# Altium PCB FlexiCan.PcbDoc (part 1 of 2)
Units mil, origin at the board's own origin, x right, y up, seen from the top; angles counter-clockwise.
Board outline 2800 x 1440 mil, 4 copper layers (Top Layer, Layer 1, Layer 2, Bottom Layer), stack 30.406 mil thick; 104 components, 92 nets, 498 pads, 201 vias.
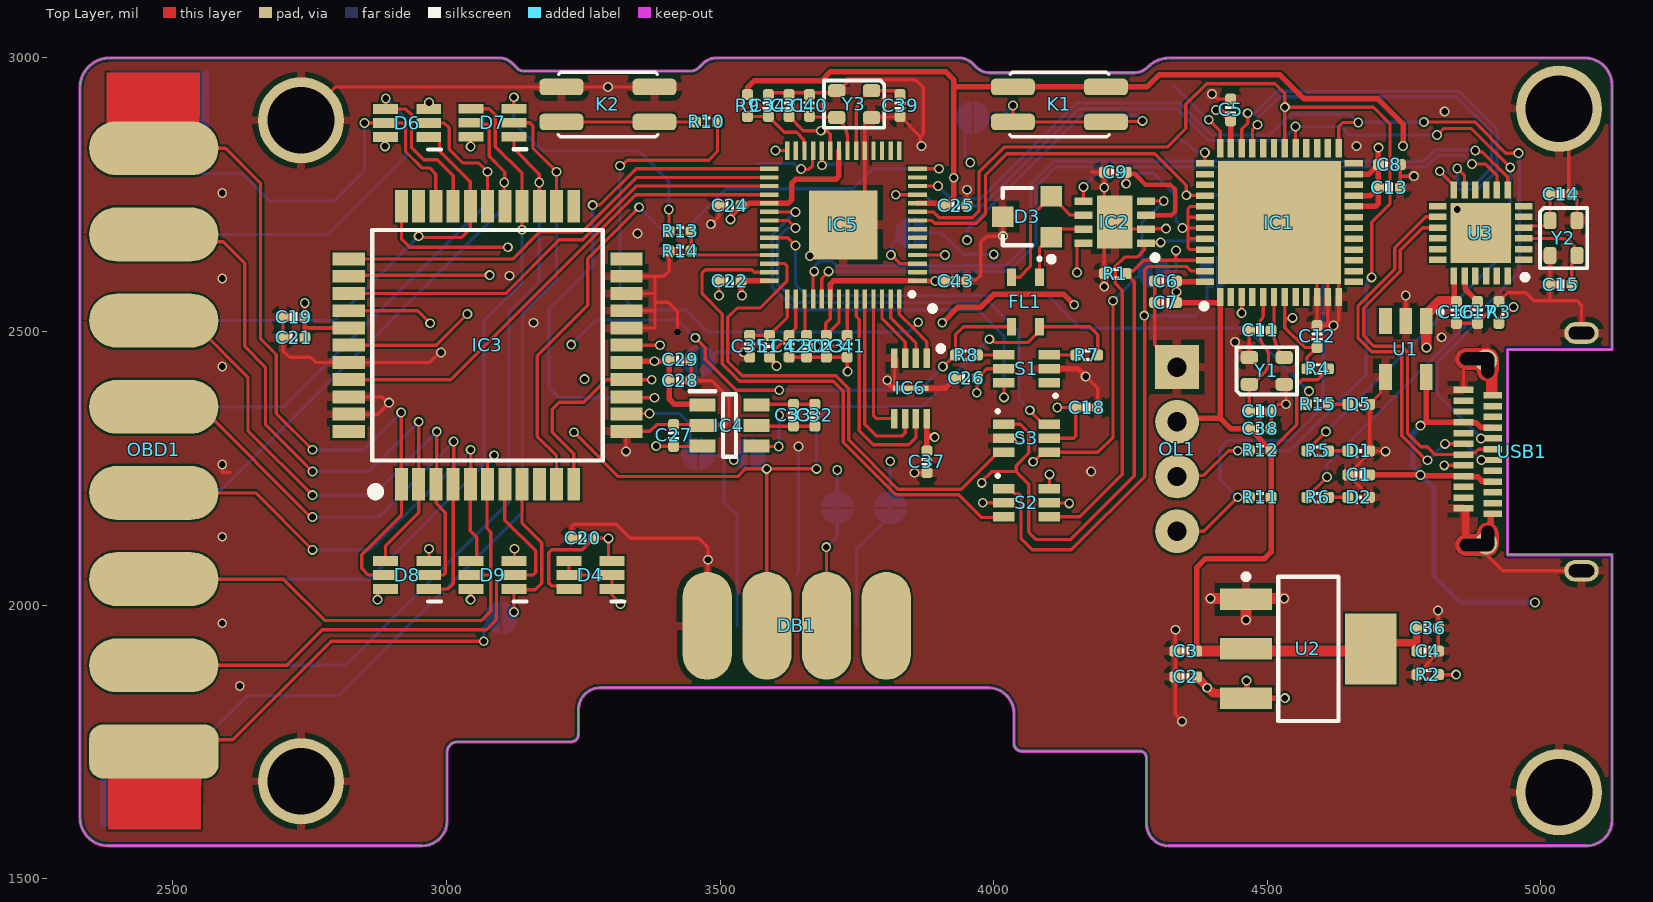
[diagram p0: Top Layer view]
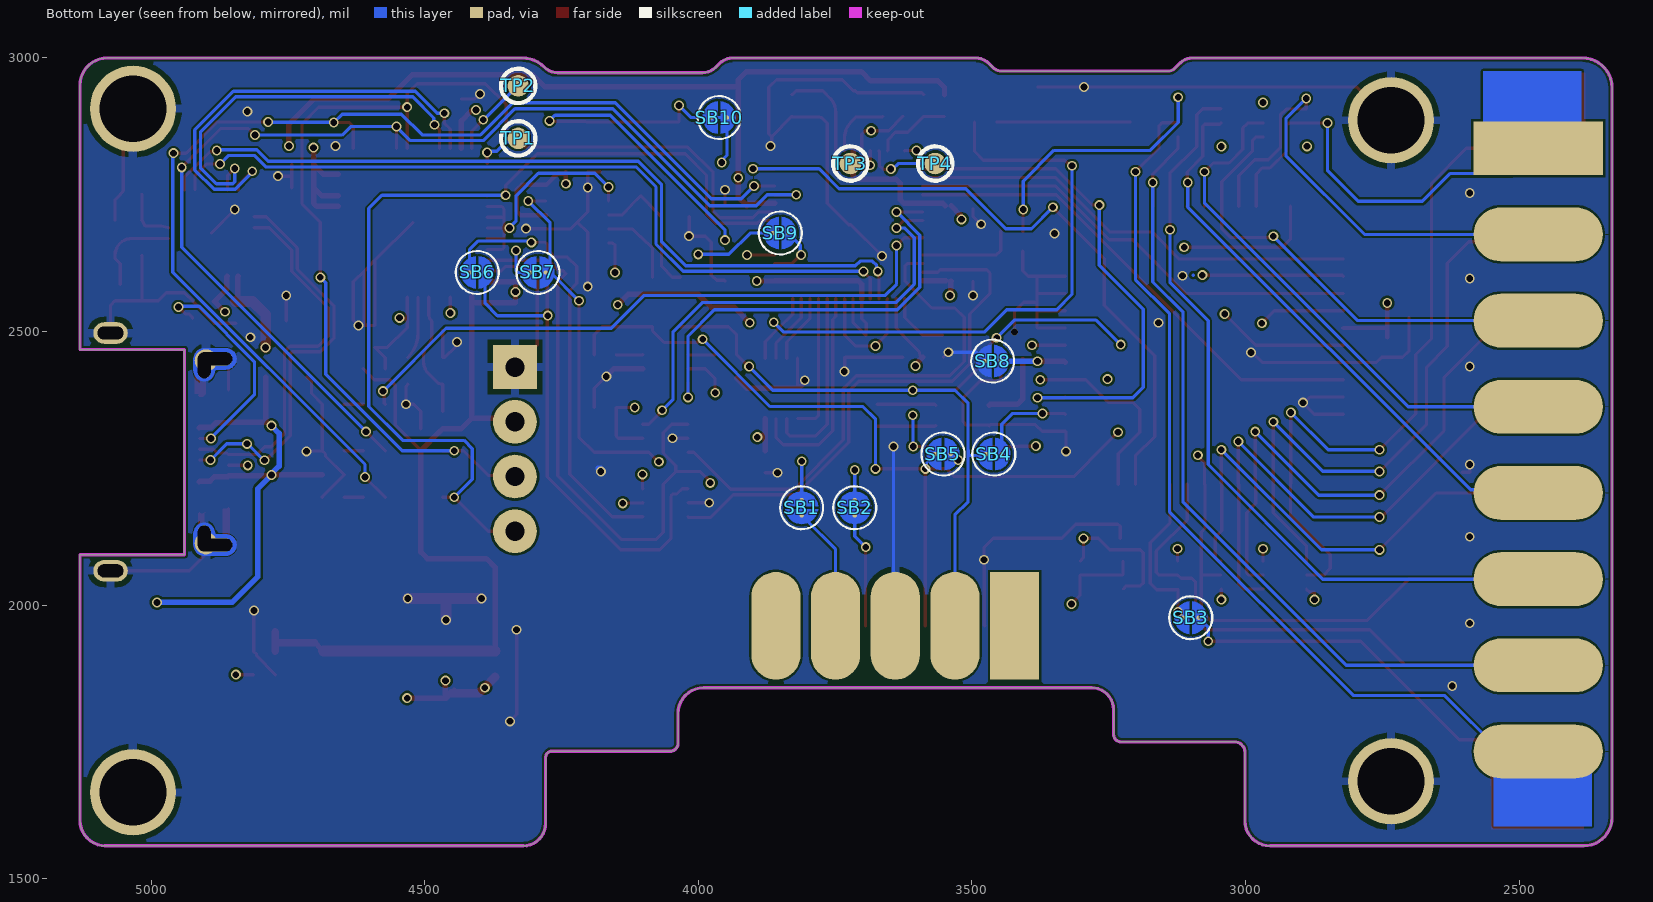
[diagram p1: Bottom Layer view, seen from below]
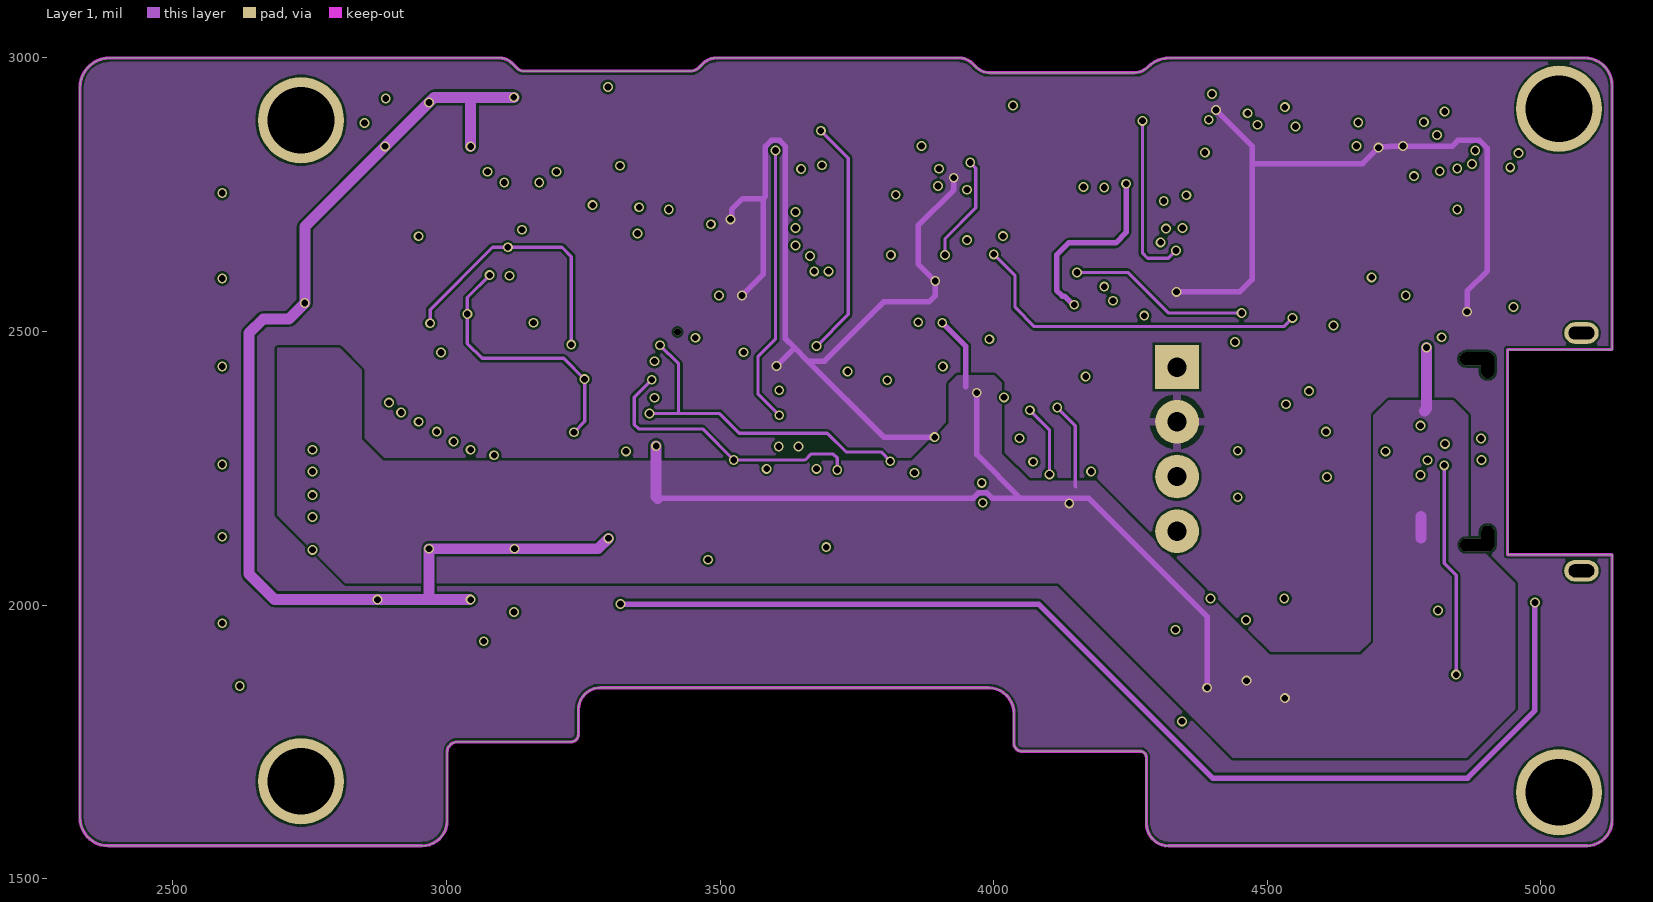
[diagram p2: Layer 1]
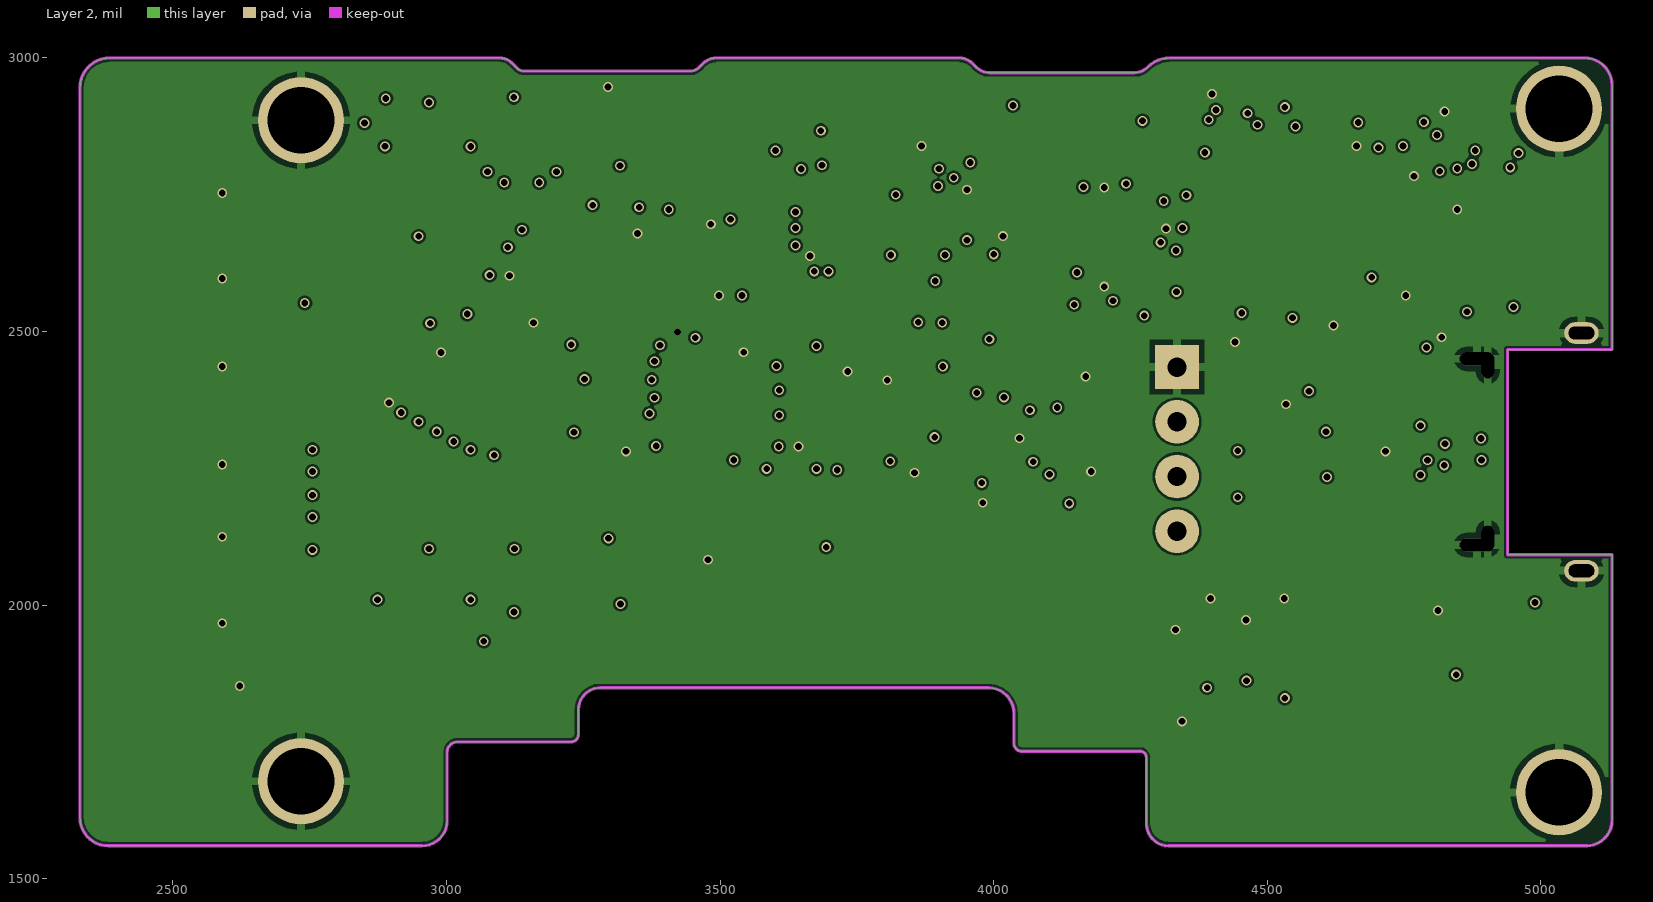
[diagram p3: Layer 2]
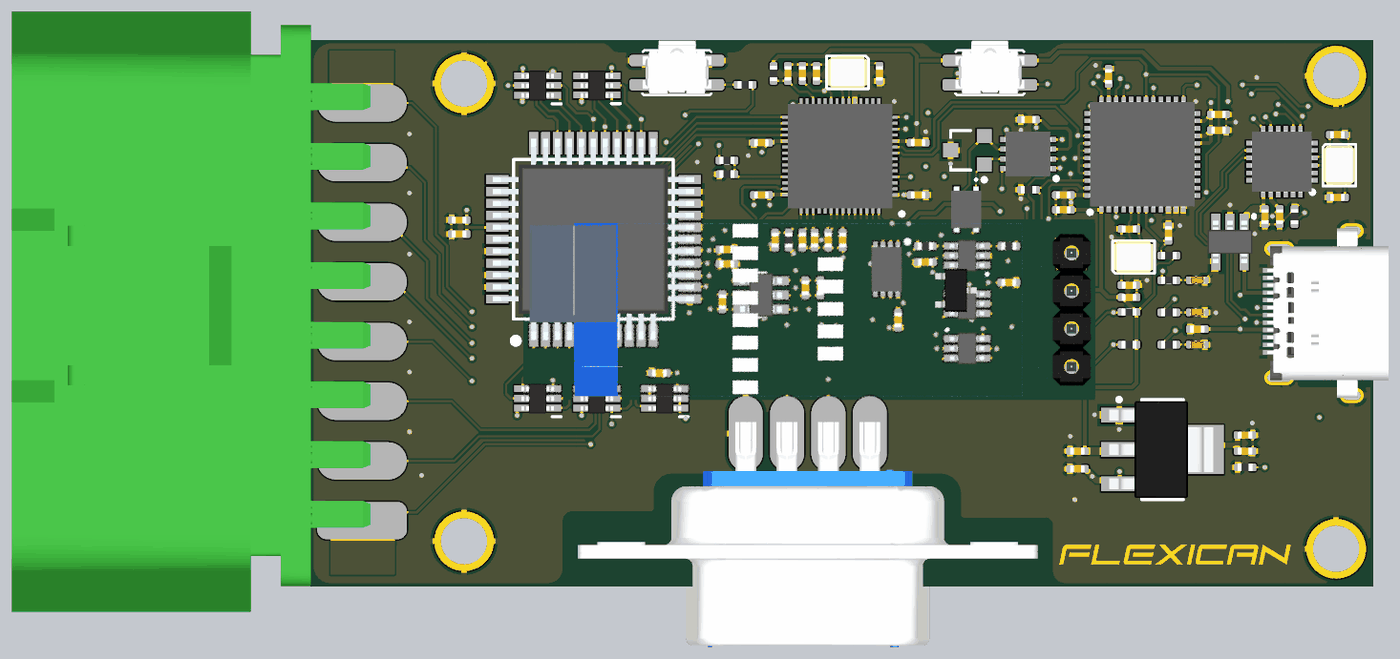
[diagram p5: 3D render of the assembled board from above, using the file's embedded part models]

## Layer stack, top to bottom
Top Solder: solder mask 0.4, Solder Resist, Dk 3.5
Top Layer: signal copper 1.4
Dielectric 2: prepreg 8.2835, PP-006, Dk 4.1
Layer 1: signal copper 0.5984
Dielectric 1: dielectric 9.8425, FR-4, Dk 4.8
Layer 2: signal copper 0.5984
Dielectric 3: prepreg 8.2835, PP-006, Dk 4.1
Bottom Layer: signal copper 1.4
Bottom Solder: solder mask 0.4, Solder Resist, Dk 3.5

## Board outline
2381.98,1560 2955.03,1560 ccw(c2955.03,1605.97) 3001,1605.97 3001,1731.25 cw(c3019.75,1731.25) 3019.75,1750 3227.34,1750 ccw(c3227.34,1763.66) 3241,1763.66 3241,1808.9 cw(c3281.1,1808.9) 3281.1,1849 3990.03,1849 cw(c3990.03,1802.03) 4037,1802.03 4037,1747.11 ccw(c4051.11,1747.11) 4051.11,1733 4267.53,1733 cw(c4267.53,1721.53) 4279,1721.53 4279,1600.91 ccw(c4319.91,1600.91) 4319.91,1560 5085,1560 5083,1560 ccw(c5083,1607) 5130,1607 5130,2092 4939,2092 4939,2467 5130,2467 5130,2950 ccw(c5080,2950) 5080,3000 4321.94,3000 ccw(c4321.94,2942.2) 4281.07,2983.07 cw(c4256.76,3007.38) 4256.76,2973 3992.11,2973 cw(c3992.11,3007.07) 3968.02,2982.98 3961,2990 ccw(c3936.86,2965.86) 3936.86,3000 3493.21,3000 ccw(c3493.21,2965.69) 3468.95,2989.95 3462,2983 cw(c3445.1,2999.9) 3445.1,2976 3141.05,2976 cw(c3141.05,2993.04) 3129.01,2980.99 3119.18,2990.82 ccw(c3097.02,2968.65) 3097.02,3000 2384.58,3000 ccw(c2384.58,2945.42) 2330,2945.42 2330,1611.98 ccw(c2381.98,1611.98)

## Design rules (kind name [scope] priority, off if disabled: settings)
Clearance [All] p1: gap=4.2 ignorepadtopadclearanceinfootprint=FALSE
PlaneConnect [All] p1: pad.planeconnectstyle=Relief pad.reliefexpansion=20 pad.reliefentries=4 pad.reliefconductorwidth=10 pad.reliefairgap=10 via.planeconnectstyle=Direct via.reliefexpansion=20 via.reliefentries=4 via.reliefconductorwidth=10 via.reliefairgap=10
PolygonConnect [All] p1: thpad.connectstyle=Relief thpad.reliefconductorwidth=15 thpad.reliefentries=4 thpad.polygonreliefangle="90 Angle" thpad.airgapwidth=10 smdpad.connectstyle=Relief smdpad.reliefconductorwidth=15 smdpad.reliefentries=4 smdpad.polygonreliefangle="90 Angle" smdpad.airgapwidth=10 via.connectstyle=Direct via.reliefconductorwidth=10 via.reliefentries=4 via.polygonreliefangle="90 Angle" via.airgapwidth=10
RoutingVias [All] p1: holewidth=12.3 width=18 viastyle="Through Hole" minholewidth=12.3 minwidth=18 maxholewidth=12.3 maxwidth=18
SolderMaskExpansion [All] p1: expansion=4 istentingtop=FALSE
Width [All] p1: maxlimit=20 minlimit=6 preferedwidth=10
29 further rules are at their usual default settings.

## Components (designator, comment, footprint, x,y, rotation, side; value= is the part's Value field where it differs from the comment)
C1 "10uF" CAP_0402 4667,2238 r0 top value=0.1u
C2 "10uF" CAP_0402 4351,1869 r0 top value=0.1u
C3 "10uF" CAP_0402 4351,1916 r0 top value=0.1u
C4 "10uF" CAP_0402 4793,1916 r180 top value=0.1u
C5 "10uF" CAP_0402 4433,2905 r270 top value=0.1u
C6 "10uF" CAP_0402 4314,2592 r0 top value=0.1u
C7 "10uF" CAP_0402 4314,2553 r0 top value=0.1u
C8 "104" CAP_0402 4723,2805 r0 top value=103
C9 "104" CAP_0402 4222,2791 r180 top value=103
C10 "18pF" CAP_0402 4487,2354 r180 top value=0.1u
C11 "18pF" CAP_0402 4487,2502 r0 top value=0.1u
C12 "NC" CAP_0402 4591,2491 r270 top value=0.1u
C13 "10uF" CAP_0402 4723,2763 r180 top value=0.1u
C14 "18pF" CAP_0402 5036.39,2750.89 r180 top value=0.1u
C15 "18pF" CAP_0402 5036.39,2585.89 r0 top value=0.1u
C16 "10uF" CAP_0402 4845.39,2534.89 r90 top value=0.1u
C17 "10uF" CAP_0402 4884.39,2534.89 r90 top value=0.1u
C18 "10uF" CAP_0402 4170,2361 r180 top value=0.1u
C19 "1uF/25V" CAP_0402 2721,2526 r0 top value=0.1u
C20 "1uF/25V" CAP_0402 3249,2122 r0 top value=0.1u
C21 "1uF/25V" CAP_0402 2721,2489 r0 top value=0.1u
C22 "10uF" CAP_0402 3518,2592 r0 top value=0.1u
C23 "10uF" CAP_0402 3694,2473 r90 top value=0.1u
C24 "10uF" CAP_0402 3518,2730 r0 top value=0.1u
C25 "10uF" CAP_0402 3931,2730 r180 top value=0.1u
C26 "10uF" CAP_0402 3950,2415 r0 top value=0.1u
C27 "10uF" CAP_0402 3415,2310 r270 top value=0.1u
C28 "10uF" CAP_0402 3427,2410 r180 top value=0.1u
C29 "10uF" CAP_0402 3427,2448 r180 top value=0.1u
C30 "10uF" CAP_0402 3658,2473 r90 top value=0.1u
C31 "10uF" CAP_0402 3626,2913 r270 top value=0.1u
C32 "10uF" CAP_0402 3673,2347 r270 top value=0.1u
C33 "10uF" CAP_0402 3634,2347 r270 top value=0.1u
C34 "10uF" CAP_0402 3588,2913 r270 top value=0.1u
C35 "10uF" CAP_0402 3554,2473 r90 top value=0.1u
C36 "10uF" CAP_0402 4793,1958 r0 top value=0.1u
C37 "10uF" CAP_0402 3878,2262 r90 top value=0.1u
C38 "10uF" CAP_0402 4487,2322 r180 top value=0.1u
C39 "18pF" CAP_0402 3829,2913 r90 top value=0.1u
C40 "18pF" CAP_0402 3663,2913 r270 top value=0.1u
C41 "10uF" CAP_0402 3732,2473 r90 top value=0.1u
C42 "10uF" CAP_0402 3626,2473 r90 top value=0.1u
C43 "10uF" CAP_0402 3931,2592 r180 top value=0.1u
D1 "red" LED_0402_RED 4667,2282 r0 top
D2 "blue" LED_0402_BLUE 4667,2197 r0 top
D3 "PESD1CAN,215" SOT23-3 4061,2710 r90 top
D4 "BAT54CDW-TP_1" SOT65P222X120-6N 3263,2055 r180 top
D5 "green" LED_0402_GREEN 4667,2367 r0 top
D6 "BAT54CDW-TP_1" SOT65P222X120-6N 2928,2881 r180 top
D7 "BAT54CDW-TP_1" SOT65P222X120-6N 3084,2881.32 r180 top
D8 "BAT54CDW-TP_1" SOT65P222X120-6N 2928,2055 r180 top
D9 "BAT54CDW-TP_1" SOT65P222X120-6N 3084,2055 r180 top
DB1 "DS1033-9F (DB-9F)" "DB-9 DS1033-9F" 3640,1850.39 r0 top locked
FL1 "ACM2520-301" ACM25203012P 4058,2554 r270 top
IC1 "STM32G431CBU6" QFN50P700X700X65-49N-D 4522,2699 r90 top
IC2 "TJA1042TK/3" SON65P300X300X100-9N 4221,2700 r180 top
IC3 "CH446Q" QFP80P1350X1350X150-44N 3075,2475 r90 top
IC4 "LM2776DBVR" SOT95P280X145-6N 3517,2328 r0 top
IC5 "RP2040TR13" RP2040TR13 3725,2695 r180 top
IC6 "W25Q16JVUXIQ" SON50P300X200X60-9N 3848,2396 r270 top
K1 "TACT 4P" ButtonTACT_3.5*3.55_90 4120,2915 r0 top locked value=3.4x3.5
K2 "TACT 4P" ButtonTACT_3.5*3.55_90 3295,2915 r0 top locked value=3.4x3.5
L1 "H0402" IND_0402Q 3590,2473 r270 top value=220R
OBD1 "ST-SOM-012A" ST-SOM-012A 2279.33,2724.25 r270 top
OL1 "OLED 0.91" "OLED 0.91 I2C" 4335,2435.04 r180 top locked
R1 "10K" RES_0402 4222,2606 r0 top
R2 "5.1K" RES_0402 4793,1873 r0 top value=22R
R3 "5.1K" RES_0402 4923,2535 r270 top value=22R
R4 "NC" RES_0402 4592,2432 r0 top value=22R
R5 "1K" RES_0402 4592,2282 r0 top
R6 "1K" RES_0402 4592,2197 r0 top
R7 "60.4R" RES_0402 4170,2457 r180 top value=22R
R8 "60.4R" RES_0402 3950,2457 r180 top value=22R
R9 "10K" RES_0402 3550,2913 r90 top value=22R
R10 "1K" RES_0402 3475,2883 r180 top value=22R
R11 "10K" RES_0402 4487,2197 r0 top value=22R
R12 "10K" RES_0402 4487,2283 r0 top value=22R
R13 "12K" RES_0402 3427,2683 r180 top
R14 "3K3" RES_0402 3427,2647 r0 top
R15 "1K" RES_0402 4592,2367 r0 top
S1 "SGM3157YC6_TR" SOT65P230X110-6N 4060,2432 r180 top
S2 "SGM3157YC6_TR" SOT65P230X110-6N 4060,2187 r0 top
S3 "SGM3157YC6_TR" SOT65P230X110-6N 4060,2305 r0 top
SB1 "Solder Bridge" SB2_NC 3811,2178 r270 bottom
SB2 "Solder Bridge" SB2_NC 3714,2178 r90 bottom
SB3 "Solder Bridge" SB2_NO 3099.79,1977 r0 bottom
SB4 "Solder Bridge" SB2_NO 3459.79,2276 r180 bottom
SB5 "Solder Bridge" SB2_NO 3552.79,2276 r180 bottom
SB6 "Solder Bridge" SB2_NO 4403.79,2608 r0 bottom
SB7 "Solder Bridge" SB2_NO 4293,2608 r180 bottom
SB8 "Solder Bridge" SB2_NO 3462,2446 r0 bottom
SB9 "Solder Bridge" SB2_NC 3850,2680 r180 bottom
SB10 "Solder Bridge" SB2_NC 3961.79,2891 r180 bottom
TP1 "TP 1mm" "SMT Test Point" 4329,2853 r180 bottom
TP2 "TP 1mm" "SMT Test Point" 4329,2949 r90 bottom
TP3 "TP 1mm" "SMT Test Point" 3722,2807 r270 bottom
TP4 "TP 1mm" "SMT Test Point" 3567,2807 r270 bottom
U1 "SY6288B/D/E" SOT95P285X130-5N 4753,2468 r270 top
U2 "AMS1117" SOT223 4575,1920 r270 top
U3 "CH334F" QFN50P400X400X80-25N-D 4890,2680 r180 top
USB1 "USBC-217184-0001" Molex_217184-0001 5015,2280 r90 top locked
Y1 "12MHz/20PPM" XT-2520 4499,2428 r0 top
Y2 "12MHz/20PPM" XT-2520 5041.39,2670.89 r270 top
Y3 "12MHz/20PPM" XT-2520 3744.89,2915.61 r180 top
